# KiCad board PCB.kicad_pcb
title: BR23 Dashboard PCB; company: Bronco Racing
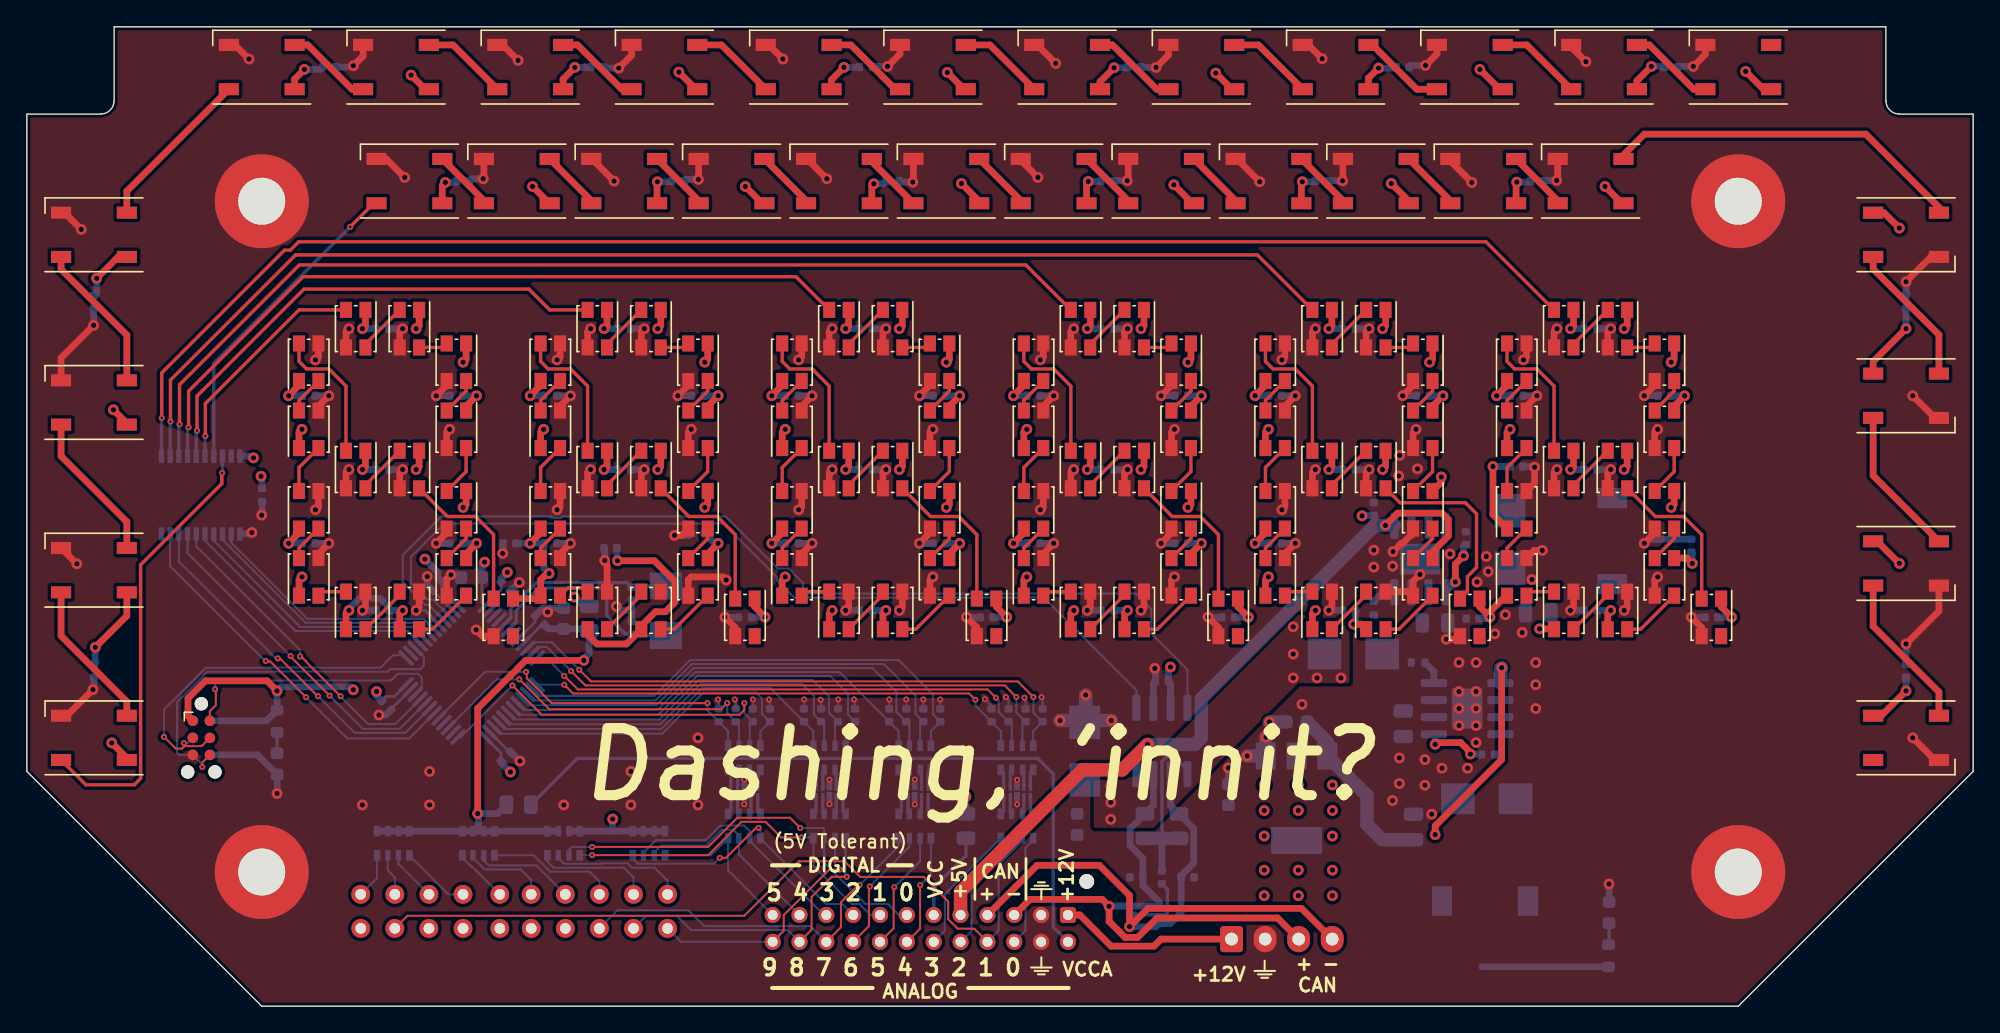
[diagram p0: board, top side]
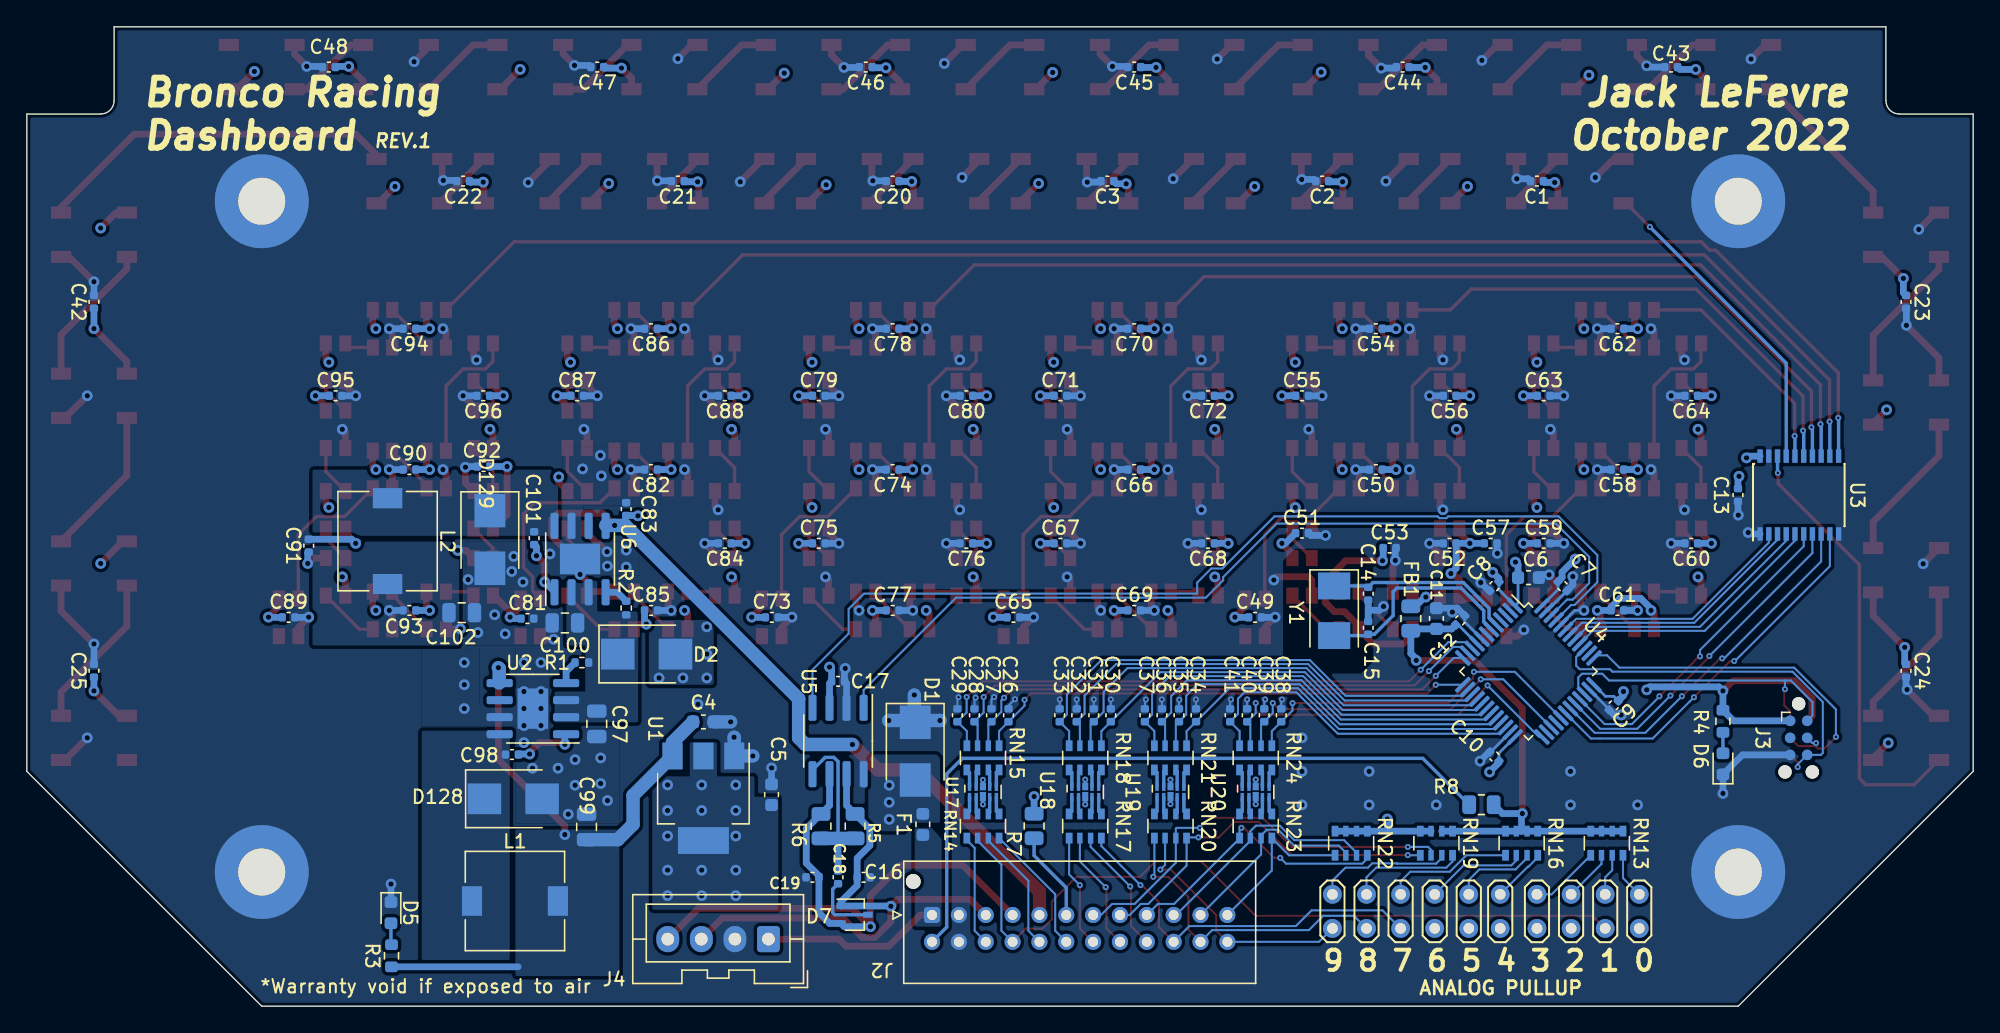
[diagram p1: board, bottom side, seen from below]

Outline 145 x 73 mm; copper layers: Top, In1.Cu, In2.Cu, Bottom. Coordinates in mm from the lower left corner of the outline.
Outline path: 0,17.5 0,66.5 5.5,66.5 arc(6.21,66.79) 6.5,67.5 6.5,73 138.5,73 138.5,67.5 arc(138.79,66.79) 139.5,66.5 145,66.5 145,17.5 127.5,0 17.5,0 0,17.5
Stack: Top 0.035mm / dielectric 0.48mm FR4 er 4.5 / In1.Cu 0.035mm / dielectric 0.48mm FR4 er 4.5 / In2.Cu 0.035mm / dielectric 0.48mm FR4 er 4.5 / Bottom 0.035mm

## Placement (name value [footprint] x y rotation side)
C1  100n  [C_0402_1005Metric]  32.5 61.5 0 bottom
C2  100n  [C_0402_1005Metric]  48.5 61.5 0 bottom
C3  100n  [C_0402_1005Metric]  64.5 61.5 0 bottom
C4  1u  [C_0603_1608Metric]  94.6 21.19 180 bottom
C5  1u  [C_0603_1608Metric]  89.52 15.77 90 bottom
C6  4u7  [C_0603_1608Metric]  33.13 31.94 180 bottom
C7  100n  [C_0402_1005Metric]  30.59 31.31 225 bottom
C8  100n  [C_0402_1005Metric]  35.67 31.31 315 bottom
C9  100n  [C_0402_1005Metric]  26.78 22.42 315 bottom
C10  100n  [C_0402_1005Metric]  35.67 18.61 45 bottom
C11  1u  [C_0603_1608Metric]  39.99 28.89 90 bottom
C12  100n  [C_0402_1005Metric]  38.21 28.77 135 bottom
C13  100n  [C_0402_1005Metric]  17.52 38.1 270 bottom
C14  30p  [C_0402_1005Metric]  45.07 30.74 270 bottom
C15  30p  [C_0402_1005Metric]  45.07 28.2 90 bottom
C16  30p  [C_0402_1005Metric]  82.66 9.61 0 bottom
C17  100n  [C_0402_1005Metric]  84.56 24.21 180 bottom
C18  100n  [C_0402_1005Metric]  84.56 9.61 90 bottom
C19  30p  [C_0402_1005Metric]  86.47 9.61 0 bottom
C20  100n  [C_0402_1005Metric]  80.5 61.5 0 bottom
C21  100n  [C_0402_1005Metric]  96.5 61.5 0 bottom
C22  100n  [C_0402_1005Metric]  112.5 61.5 0 bottom
C23  100n  [C_0402_1005Metric]  5 52.5 270 bottom
C24  100n  [C_0402_1005Metric]  5 25 270 bottom
C25  100n  [C_0402_1005Metric]  140 25 90 bottom
C26  100n  [C_0402_1005Metric]  71.87 21.68 90 bottom
C27  100n  [C_0402_1005Metric]  73.13 21.68 90 bottom
C28  100n  [C_0402_1005Metric]  74.41 21.68 90 bottom
C29  100n  [C_0402_1005Metric]  75.68 21.68 90 bottom
C30  100n  [C_0402_1005Metric]  64.25 21.68 90 bottom
C31  100n  [C_0402_1005Metric]  65.51 21.68 90 bottom
C32  100n  [C_0402_1005Metric]  66.78 21.68 90 bottom
C33  100n  [C_0402_1005Metric]  68.06 21.68 90 bottom
C34  100n  [C_0402_1005Metric]  57.9 21.68 90 bottom
C35  100n  [C_0402_1005Metric]  59.16 21.68 90 bottom
C36  100n  [C_0402_1005Metric]  60.44 21.68 90 bottom
C37  100n  [C_0402_1005Metric]  61.71 21.68 90 bottom
C38  100n  [C_0402_1005Metric]  51.55 21.68 90 bottom
C39  100n  [C_0402_1005Metric]  52.81 21.68 90 bottom
C40  100n  [C_0402_1005Metric]  54.08 21.68 90 bottom
C41  100n  [C_0402_1005Metric]  55.36 21.68 90 bottom
C42  100n  [C_0402_1005Metric]  140 52.5 90 bottom
C43  100n  [C_0402_1005Metric]  22.5 70 0 bottom
C44  100n  [C_0402_1005Metric]  42.5 70 0 bottom
C45  100n  [C_0402_1005Metric]  62.5 70 0 bottom
C46  100n  [C_0402_1005Metric]  82.5 70 0 bottom
C47  100n  [C_0402_1005Metric]  102.5 70 0 bottom
C48  100n  [C_0402_1005Metric]  122.5 70 0 bottom
C49  100n  [C_0402_1005Metric]  53.5 28.98 180 bottom
C50  100n  [C_0402_1005Metric]  44.5 40 0 bottom
C51  100n  [C_0402_1005Metric]  50 35.26 180 bottom
C52  100n  [C_0402_1005Metric]  39 34.5 0 bottom
C53  100n  [C_0402_1005Metric]  43.47 34.15 180 bottom
C54  100n  [C_0402_1005Metric]  44.5 50.5 0 bottom
C55  100n  [C_0402_1005Metric]  50 45.5 180 bottom
C56  100n  [C_0402_1005Metric]  39 45.5 0 bottom
C57  100n  [C_0402_1005Metric]  35.95 34.5 180 bottom
C58  100n  [C_0402_1005Metric]  26.5 40 0 bottom
C59  100n  [C_0402_1005Metric]  32 34.5 180 bottom
C60  100n  [C_0402_1005Metric]  21 34.5 0 bottom
C61  100n  [C_0402_1005Metric]  26.5 29.5 180 bottom
C62  100n  [C_0402_1005Metric]  26.5 50.5 0 bottom
C63  100n  [C_0402_1005Metric]  32 45.5 180 bottom
C64  100n  [C_0402_1005Metric]  21 45.5 0 bottom
C65  100n  [C_0402_1005Metric]  71.5 28.98 180 bottom
C66  100n  [C_0402_1005Metric]  62.5 40 0 bottom
C67  100n  [C_0402_1005Metric]  68 34.5 180 bottom
C68  100n  [C_0402_1005Metric]  57 34.5 0 bottom
C69  100n  [C_0402_1005Metric]  62.5 29.5 180 bottom
C70  100n  [C_0402_1005Metric]  62.5 50.5 0 bottom
C71  100n  [C_0402_1005Metric]  68 45.5 180 bottom
C72  100n  [C_0402_1005Metric]  57 45.5 0 bottom
C73  100n  [C_0402_1005Metric]  89.5 28.98 180 bottom
C74  100n  [C_0402_1005Metric]  80.5 40 0 bottom
C75  100n  [C_0402_1005Metric]  86 34.5 180 bottom
C76  100n  [C_0402_1005Metric]  75 34.5 0 bottom
C77  100n  [C_0402_1005Metric]  80.5 29.5 180 bottom
C78  100n  [C_0402_1005Metric]  80.5 50.5 0 bottom
C79  100n  [C_0402_1005Metric]  86 45.5 180 bottom
C80  100n  [C_0402_1005Metric]  75 45.5 0 bottom
C81  100n  [C_0402_1005Metric]  107.71 28.89 180 bottom
C82  100n  [C_0402_1005Metric]  98.5 40 0 bottom
C83  100n  [C_0402_1005Metric]  100.35 37.05 90 bottom
C84  100n  [C_0402_1005Metric]  93 34.5 0 bottom
C85  100n  [C_0402_1005Metric]  98.5 29.5 180 bottom
C86  100n  [C_0402_1005Metric]  98.5 50.5 0 bottom
C87  100n  [C_0402_1005Metric]  104 45.5 180 bottom
C88  100n  [C_0402_1005Metric]  93 45.5 0 bottom
C89  100n  [C_0402_1005Metric]  125.5 28.98 180 bottom
C90  100n  [C_0402_1005Metric]  116.5 40 0 bottom
C91  100n  [C_0402_1005Metric]  124 34.33 90 bottom
C92  100n  [C_0402_1005Metric]  110.97 40.22 0 bottom
C93  100n  [C_0402_1005Metric]  116.5 29.5 180 bottom
C94  100n  [C_0402_1005Metric]  116.5 50.5 0 bottom
C95  100n  [C_0402_1005Metric]  122 45.5 180 bottom
C96  100n  [C_0402_1005Metric]  111 45.5 0 bottom
C97  10u  [C_0805_2012Metric]  102.54 21.05 270 bottom
C98  100n  [C_0402_1005Metric]  108.86 18.75 0 bottom
C99  47u  [C_0805_2012Metric]  103.3 13.36 90 bottom
C100  10u  [C_0805_2012Metric]  104.91 28.57 0 bottom
C101  100n  [C_0402_1005Metric]  107.21 34.88 90 bottom
C102  47u  [C_0805_2012Metric]  112.6 29.33 180 bottom
D1  SMBJ15CA  [D_SMB]  78.82 19.01 270 bottom
D2  SSB43L  [D_SMB]  98.82 26.25 180 bottom
D3  WS2812B  [LED_WS2812B_PLCC4_5.0x5.0mm_P3.2mm]  28.5 61.5 180 top
D4  WS2812B  [LED_WS2812B_PLCC4_5.0x5.0mm_P3.2mm]  36.5 61.5 180 top
D5  LED  [LED_0603_1608Metric]  117.87 6.97 270 bottom
D6  LED  [LED_0603_1608Metric]  18.64 18.06 90 bottom
D7  D_TVS_Dual_AAC  [SOT-323_SC-70]  83.34 6.82 180 bottom
D8  WS2812B  [LED_WS2812B_PLCC4_5.0x5.0mm_P3.2mm]  44.5 61.5 180 top
D9  WS2812B  [LED_WS2812B_PLCC4_5.0x5.0mm_P3.2mm]  52.5 61.5 180 top
D10  WS2812B  [LED_WS2812B_PLCC4_5.0x5.0mm_P3.2mm]  60.5 61.5 180 top
D11  WS2812B  [LED_WS2812B_PLCC4_5.0x5.0mm_P3.2mm]  68.5 61.5 180 top
D12  WS2812B  [LED_WS2812B_PLCC4_5.0x5.0mm_P3.2mm]  76.5 61.5 180 top
D13  WS2812B  [LED_WS2812B_PLCC4_5.0x5.0mm_P3.2mm]  84.5 61.5 180 top
D14  WS2812B  [LED_WS2812B_PLCC4_5.0x5.0mm_P3.2mm]  92.5 61.5 180 top
D15  WS2812B  [LED_WS2812B_PLCC4_5.0x5.0mm_P3.2mm]  100.5 61.5 180 top
D16  WS2812B  [LED_WS2812B_PLCC4_5.0x5.0mm_P3.2mm]  108.5 61.5 180 top
D17  WS2812B  [LED_WS2812B_PLCC4_5.0x5.0mm_P3.2mm]  116.5 61.5 180 top
D18  WS2812B  [LED_WS2812B_PLCC4_5.0x5.0mm_P3.2mm]  5 57.5 180 top
D19  WS2812B  [LED_WS2812B_PLCC4_5.0x5.0mm_P3.2mm]  5 45 180 top
D20  WS2812B  [LED_WS2812B_PLCC4_5.0x5.0mm_P3.2mm]  5 32.5 180 top
D21  WS2812B  [LED_WS2812B_PLCC4_5.0x5.0mm_P3.2mm]  5 20 180 top
D22  WS2812B  [LED_WS2812B_PLCC4_5.0x5.0mm_P3.2mm]  140 57.5 0 top
D24  WS2812B  [LED_WS2812B_PLCC4_5.0x5.0mm_P3.2mm]  140 33 0 top
D25  WS2812B  [LED_WS2812B_PLCC4_5.0x5.0mm_P3.2mm]  140 20 0 top
D26  WS2812B  [LED_WS2812B_PLCC4_5.0x5.0mm_P3.2mm]  17.5 70 180 top
D27  WS2812B  [LED_WS2812B_PLCC4_5.0x5.0mm_P3.2mm]  27.5 70 180 top
D28  WS2812B  [LED_WS2812B_PLCC4_5.0x5.0mm_P3.2mm]  37.5 70 180 top
D29  WS2812B  [LED_WS2812B_PLCC4_5.0x5.0mm_P3.2mm]  47.5 70 180 top
D30  WS2812B  [LED_WS2812B_PLCC4_5.0x5.0mm_P3.2mm]  57.5 70 180 top
D31  WS2812B  [LED_WS2812B_PLCC4_5.0x5.0mm_P3.2mm]  67.5 70 180 top
D32  WS2812B  [LED_WS2812B_PLCC4_5.0x5.0mm_P3.2mm]  77.5 70 180 top
D33  WS2812B  [LED_WS2812B_PLCC4_5.0x5.0mm_P3.2mm]  87.5 70 180 top
D34  WS2812B  [LED_WS2812B_PLCC4_5.0x5.0mm_P3.2mm]  97.5 70 180 top
D35  WS2812B  [LED_WS2812B_PLCC4_5.0x5.0mm_P3.2mm]  107.5 70 180 top
D36  WS2812B  [LED_WS2812B_PLCC4_5.0x5.0mm_P3.2mm]  117.5 70 180 top
D37  WS2812B  [LED_WS2812B_PLCC4_5.0x5.0mm_P3.2mm]  127.5 70 180 top
D38  WS2812B  [XL-3528RGBW-WS2812B]  39 48 90 top
D39  WS2812B  [XL-3528RGBW-WS2812B]  39 43 90 top
D40  WS2812B  [XL-3528RGBW-WS2812B]  39 37 90 top
D41  WS2812B  [XL-3528RGBW-WS2812B]  39 32 90 top
D42  WS2812B  [XL-3528RGBW-WS2812B]  42.5 50.5 270 top
D43  WS2812B  [XL-3528RGBW-WS2812B]  42.5 29.5 90 top
D44  WS2812B  [XL-3528RGBW-WS2812B]  42.5 40 270 top
D45  WS2812B  [XL-3528RGBW-WS2812B]  46.5 50.5 270 top
D46  WS2812B  [XL-3528RGBW-WS2812B]  46.5 29.5 90 top
D47  WS2812B  [XL-3528RGBW-WS2812B]  46.5 40 270 top
D48  WS2812B  [XL-3528RGBW-WS2812B]  50 48 270 top
D49  WS2812B  [XL-3528RGBW-WS2812B]  50 43 270 top
D50  WS2812B  [XL-3528RGBW-WS2812B]  50 37 270 top
D51  WS2812B  [XL-3528RGBW-WS2812B]  50 32 270 top
D52  WS2812B  [XL-3528RGBW-WS2812B]  53.5 28.98 270 top
D53  WS2812B  [XL-3528RGBW-WS2812B]  21 48 90 top
D54  WS2812B  [XL-3528RGBW-WS2812B]  21 43 90 top
D55  WS2812B  [XL-3528RGBW-WS2812B]  21 37 90 top
D56  WS2812B  [XL-3528RGBW-WS2812B]  21 32 90 top
D57  WS2812B  [XL-3528RGBW-WS2812B]  24.5 50.5 270 top
D58  WS2812B  [XL-3528RGBW-WS2812B]  24.5 29.5 90 top
D59  WS2812B  [XL-3528RGBW-WS2812B]  24.5 40 270 top
D60  WS2812B  [XL-3528RGBW-WS2812B]  28.5 50.5 270 top
D61  WS2812B  [XL-3528RGBW-WS2812B]  28.5 29.5 90 top
D62  WS2812B  [XL-3528RGBW-WS2812B]  28.5 40 270 top
D63  WS2812B  [XL-3528RGBW-WS2812B]  32 48 270 top
D64  WS2812B  [XL-3528RGBW-WS2812B]  32 43 270 top
D65  WS2812B  [XL-3528RGBW-WS2812B]  32 37 270 top
D66  WS2812B  [XL-3528RGBW-WS2812B]  32 32 270 top
D67  WS2812B  [XL-3528RGBW-WS2812B]  35.5 28.98 270 top
D68  WS2812B  [XL-3528RGBW-WS2812B]  57 48 90 top
D69  WS2812B  [XL-3528RGBW-WS2812B]  57 43 90 top
D70  WS2812B  [XL-3528RGBW-WS2812B]  57 37 90 top
D71  WS2812B  [XL-3528RGBW-WS2812B]  57 32 90 top
D72  WS2812B  [XL-3528RGBW-WS2812B]  60.5 50.5 270 top
D73  WS2812B  [XL-3528RGBW-WS2812B]  60.5 29.5 90 top
D74  WS2812B  [XL-3528RGBW-WS2812B]  60.5 40 270 top
D75  WS2812B  [XL-3528RGBW-WS2812B]  64.5 50.5 270 top
D76  WS2812B  [XL-3528RGBW-WS2812B]  64.5 29.5 90 top
D77  WS2812B  [XL-3528RGBW-WS2812B]  64.5 40 270 top
D78  WS2812B  [XL-3528RGBW-WS2812B]  68 48 270 top
D79  WS2812B  [XL-3528RGBW-WS2812B]  68 43 270 top
D80  WS2812B  [XL-3528RGBW-WS2812B]  68 37 270 top
D81  WS2812B  [XL-3528RGBW-WS2812B]  68 32 270 top
D82  WS2812B  [XL-3528RGBW-WS2812B]  71.5 28.98 270 top
D83  WS2812B  [XL-3528RGBW-WS2812B]  75 48 90 top
D84  WS2812B  [XL-3528RGBW-WS2812B]  75 43 90 top
D85  WS2812B  [XL-3528RGBW-WS2812B]  75 37 90 top
D86  WS2812B  [XL-3528RGBW-WS2812B]  75 32 90 top
D87  WS2812B  [XL-3528RGBW-WS2812B]  78.5 50.5 270 top
D88  WS2812B  [XL-3528RGBW-WS2812B]  78.5 29.5 90 top
D89  WS2812B  [XL-3528RGBW-WS2812B]  78.5 40 270 top
D90  WS2812B  [XL-3528RGBW-WS2812B]  82.5 50.5 270 top
D91  WS2812B  [XL-3528RGBW-WS2812B]  82.5 29.5 90 top
D92  WS2812B  [XL-3528RGBW-WS2812B]  82.5 40 270 top
D93  WS2812B  [XL-3528RGBW-WS2812B]  86 48 270 top
D94  WS2812B  [XL-3528RGBW-WS2812B]  86 43 270 top
D95  WS2812B  [XL-3528RGBW-WS2812B]  86 37 270 top
D96  WS2812B  [XL-3528RGBW-WS2812B]  86 32 270 top
D97  WS2812B  [XL-3528RGBW-WS2812B]  89.5 28.98 270 top
D98  WS2812B  [XL-3528RGBW-WS2812B]  93 48 90 top
D99  WS2812B  [XL-3528RGBW-WS2812B]  93 43 90 top
D100  WS2812B  [XL-3528RGBW-WS2812B]  93 37 90 top
D101  WS2812B  [XL-3528RGBW-WS2812B]  93 32 90 top
D102  WS2812B  [XL-3528RGBW-WS2812B]  96.5 50.5 270 top
D103  WS2812B  [XL-3528RGBW-WS2812B]  96.5 29.5 90 top
D104  WS2812B  [XL-3528RGBW-WS2812B]  96.5 40 270 top
D105  WS2812B  [XL-3528RGBW-WS2812B]  100.5 50.5 270 top
D106  WS2812B  [XL-3528RGBW-WS2812B]  100.5 29.5 90 top
D107  WS2812B  [XL-3528RGBW-WS2812B]  100.5 40 270 top
D108  WS2812B  [XL-3528RGBW-WS2812B]  104 48 270 top
D109  WS2812B  [XL-3528RGBW-WS2812B]  104 43 270 top
D110  WS2812B  [XL-3528RGBW-WS2812B]  104 37 270 top
D111  WS2812B  [XL-3528RGBW-WS2812B]  104 32 270 top
D112  WS2812B  [XL-3528RGBW-WS2812B]  107.5 28.98 270 top
D113  WS2812B  [XL-3528RGBW-WS2812B]  111 48 90 top
D114  WS2812B  [XL-3528RGBW-WS2812B]  111 43 90 top
D115  WS2812B  [XL-3528RGBW-WS2812B]  111 37 90 top
D116  WS2812B  [XL-3528RGBW-WS2812B]  111 32 90 top
D117  WS2812B  [XL-3528RGBW-WS2812B]  114.5 50.5 270 top
D118  WS2812B  [XL-3528RGBW-WS2812B]  114.5 29.5 90 top
D119  WS2812B  [XL-3528RGBW-WS2812B]  114.5 40 270 top
D120  WS2812B  [XL-3528RGBW-WS2812B]  118.5 50.5 270 top
D121  WS2812B  [XL-3528RGBW-WS2812B]  118.5 29.5 90 top
D122  WS2812B  [XL-3528RGBW-WS2812B]  118.5 40 270 top
D123  WS2812B  [XL-3528RGBW-WS2812B]  122 48 270 top
D124  WS2812B  [XL-3528RGBW-WS2812B]  122 43 270 top
D125  WS2812B  [XL-3528RGBW-WS2812B]  122 37 270 top
D126  WS2812B  [XL-3528RGBW-WS2812B]  122 32 270 top
D127  WS2812B  [XL-3528RGBW-WS2812B]  125.5 28.98 270 top
D128  SSB43L  [D_SMB]  108.76 15.46 180 bottom
D129  SSB43L  [D_SMB]  110.5 34.79 270 bottom
DD23  WS2812B  [LED_WS2812B_PLCC4_5.0x5.0mm_P3.2mm]  140 45.5 0 top
F1  Fuse  [Fuse_0603_1608Metric]  78.25 13.55 90 bottom
FB1  100R@100MHz  [R_0805_2012Metric]  41.89 28.89 270 bottom
H1  MountingHole  [MountingHole_3.5mm_Pad]  17.5 60 0 top
H2  MountingHole  [MountingHole_3.5mm_Pad]  17.5 10 0 top
H3  MountingHole  [MountingHole_3.5mm_Pad]  127.5 10 0 top
H4  MountingHole  [MountingHole_3.5mm_Pad]  127.5 60 0 top
J1  TC2030  [Tag-Connect_TC2030-IDC-NL_2x03_P1.27mm_Vertical]  13 20 270 top
J2  JST B24B-PADSS-F  [JST_B24B_PADSS]  77.56 6.8 180 bottom
J3  TC2030  [Tag-Connect_TC2030-IDC-NL_2x03_P1.27mm_Vertical#2]  13 20 270 bottom
J4  JST B04B-XASK  [JST_XA_B04B-XASK-1_1x04_P2.50mm_Vertical]  89.75 5 0 bottom
JP1  Jumper_2_Bridged  [TestPoint_2Pads_Pitch2.54mm_Drill0.8mm]  24.88 8.34 270 bottom
JP2  Jumper_2_Bridged  [TestPoint_2Pads_Pitch2.54mm_Drill0.8mm]  27.42 8.34 270 bottom
JP3  Jumper_2_Bridged  [TestPoint_2Pads_Pitch2.54mm_Drill0.8mm]  29.95 8.34 270 bottom
JP4  Jumper_2_Bridged  [TestPoint_2Pads_Pitch2.54mm_Drill0.8mm]  32.5 8.34 270 bottom
JP5  Jumper_2_Bridged  [TestPoint_2Pads_Pitch2.54mm_Drill0.8mm]  35.23 8.34 270 bottom
JP6  Jumper_2_Bridged  [TestPoint_2Pads_Pitch2.54mm_Drill0.8mm]  37.58 8.34 270 bottom
JP7  Jumper_2_Bridged  [TestPoint_2Pads_Pitch2.54mm_Drill0.8mm]  40.11 8.34 270 bottom
JP8  Jumper_2_Bridged  [TestPoint_2Pads_Pitch2.54mm_Drill0.8mm]  42.66 8.34 270 bottom
JP9  Jumper_2_Bridged  [TestPoint_2Pads_Pitch2.54mm_Drill0.8mm]  45.19 8.34 270 bottom
JP10  Jumper_2_Bridged  [TestPoint_2Pads_Pitch2.54mm_Drill0.8mm]  47.73 8.34 270 bottom
L1  4.7u  [L_7.3x7.3_H3.5]  108.64 7.84 180 bottom
L2  4.7u  [L_7.3x7.3_H3.5]  118.12 34.66 270 bottom
R1  100k  [R_0402_1005Metric]  103.65 25.61 0 bottom
R2  100k  [R_0402_1005Metric]  100.35 29.68 90 bottom
R3  1.5k  [R_0603_1608Metric]  117.83 3.76 90 bottom
R4  1.5k  [R_0603_1608Metric]  18.64 21.24 270 bottom
R5  60  [R_0805_2012Metric]  83.29 13.42 270 bottom
R6  60  [R_0805_2012Metric]  85.84 13.42 90 bottom
R7  47R  [R_0805_2012Metric]  69.96 13.43 270 bottom
R8  47R  [R_0805_2012Metric]  36.63 15.02 0 bottom
RN13  10k  [R_Array_Convex_4x0603]  27.29 12.15 90 bottom
RN14  1k  [R_Array_Convex_4x0603]  73.77 13.43 270 bottom
RN15  1k  [R_Array_Convex_4x0603]  73.77 18.51 270 bottom
RN16  10k  [R_Array_Convex_4x0603]  33.64 12.15 90 bottom
RN17  1k  [R_Array_Convex_4x0603]  66.15 13.43 270 bottom
RN18  1k  [R_Array_Convex_4x0603]  66.15 18.51 270 bottom
RN19  10k  [R_Array_Convex_4x0603]  39.99 12.15 90 bottom
RN20  1k  [R_Array_Convex_4x0603]  59.8 13.43 270 bottom
RN21  1k  [R_Array_Convex_4x0603]  59.8 18.51 270 bottom
RN22  10k  [R_Array_Convex_4x0603]  46.34 12.15 90 bottom
RN23  1k  [R_Array_Convex_4x0603]  53.45 13.43 270 bottom
RN24  1k  [R_Array_Convex_4x0603]  53.45 18.51 270 bottom
U1  AMS1117-3.3  [SOT-223-3_TabPin2]  94.6 15.5 270 bottom
U2  ADP2303ARDZ-5.0  [SOIC-8-1EP_3.9x4.9mm_P1.27mm_EP2.29x3mm]  107.3 22.18 0 bottom
U3  74HCT541  [SSOP-20_4.4x6.5mm_P0.65mm]  12.95 38.1 90 bottom
U4  STM32F103C8T6  [LQFP-48_7x7mm_P0.5mm]  33.13 24.96 225 bottom
U5  SN65HVD230  [SOIC-8_3.9x4.9mm_P1.27mm]  84.56 19.77 270 bottom
U6  ADP2303ARDZ-5.0  [SOIC-8-1EP_3.9x4.9mm_P1.27mm_EP2.29x3mm]  103.78 33.33 90 bottom
U17  ESD224DQA  [Diodes_UDFN-10_1.0x2.5mm_P0.5mm]  73.77 15.97 90 bottom
U18  ESD224DQA  [Diodes_UDFN-10_1.0x2.5mm_P0.5mm]  66.15 15.97 90 bottom
U19  ESD224DQA  [Diodes_UDFN-10_1.0x2.5mm_P0.5mm]  59.8 15.97 90 bottom
U20  ESD224DQA  [Diodes_UDFN-10_1.0x2.5mm_P0.5mm]  53.45 15.97 90 bottom
Y1  8MHz  [Crystal_SMD_5032-2Pin_5.0x3.2mm]  47.61 29.47 270 bottom

## Library data of the parts
C1-C3 C7-C10 C12 C13 C17 C18 C20-C96 C98 C101 = -: LCSC: C307331
C4 C5 C11 = -: LCSC: C15849
C6 = -: LCSC: C19666
C14-C16 C19 = -: LCSC: C1570
C97 C100 = -: LCSC: C440198
C99 C102 = -: LCSC: C16780
D1 = -: LCSC: C78809
D2 D128 D129 = -: LCSC: C222519
D5 D6 = -: LCSC: C72043
D7 = -: LCSC: C151237
D18-D22 D24-D37 DD23 = -: Field4: 1
F1 = -: LCSC: C122965
FB1 = -: LCSC: C1015
L1 L2 = -: LCSC: C497878
R1 R2 = -: LCSC: C25086
R3 R4 = -: LCSC: C4177
R5 R6 = -: LCSC: C441730
R7 R8 = -: LCSC: C17714
RN13 RN16 RN19 RN22 = -: LCSC: C29718
RN14 RN15 RN17 RN18 RN20 RN21 RN23 RN24 = -: LCSC: C20197
U1 = -: LCSC: C6186
U2 U6 = -: LCSC: C659153
U3 = -: LCSC: C6758
U4 = -: LCSC: C77994
U5 = -: LCSC: C12084
Y1 = -: LCSC: C115962

## Footprints (pads in the part's own frame, mm; a bottom-side part is the same pattern mirrored in y, then rotated)
C_0402_1005Metric
  rrect 0.56x0.62 smd: 1(-0.48,0) 2(0.48,0)
C_0603_1608Metric
  rrect 0.9x0.95 smd: 1(-0.775,0) 2(0.775,0)
C_0805_2012Metric
  rrect 1x1.45 smd: 1(-0.95,0) 2(0.95,0)
Crystal_SMD_5032-2Pin_5.0x3.2mm
  rect 2x2.4 smd: 1(-1.85,0) 2(1.85,0)
D_SMB
  rect 2.5x2.3 smd: 1(-2.15,0) 2(2.15,0)
Diodes_UDFN-10_1.0x2.5mm_P0.5mm
  rect 0.625x0.25 smd: 1(-0.388,1) 2(-0.388,0.5) 4(-0.388,-0.5) 5(-0.388,-1) 6(0.388,-1) 7(0.388,-0.5) 9(0.388,0.5) 10(0.388,1)
  rect 0.7x0.45 smd: 3(-0.35,0)
  rect 0.575x0.45 smd: 8(0.412,0)
Fuse_0603_1608Metric
  rrect 0.875x0.95 smd: 1(-0.787,0) 2(0.787,0)
JST_B24B_PADSS
  round 1.1 hole 1.1 unplated: (-1.4,2.5)
  rrect 1.2x1.2 hole 0.75: 1(0,0)
  round 1.2 hole 0.75: 2(0,-2) 3(2,0) 4(2,-2) 5(4,0) 6(4,-2) 7(6,0) 8(6,-2) 9(8,0) 10(8,-2) 11(10,0) 12(10,-2) 13(12,0) 14(12,-2) 15(14,0) 16(14,-2) 17(16,0) 18(16,-2) 19(18,0) 20(18,-2) 21(20,0) 22(20,-2) 23(22,0) 24(22,-2)
JST_XA_B04B-XASK-1_1x04_P2.50mm_Vertical
  rrect 1.7x1.95 hole 0.95: 1(0,0)
  oval 1.7x1.95 hole 0.95: 2(2.5,0) 3(5,0) 4(7.5,0)
L_7.3x7.3_H3.5
  rect 1.5x2.2 smd: 1(-3.2,0) 2(3.2,0)
LED_0603_1608Metric
  rrect 0.875x0.95 smd: 1(-0.787,0) 2(0.787,0)
LED_WS2812B_PLCC4_5.0x5.0mm_P3.2mm
  rect 1.5x0.9 smd: 1(-2.45,1.65) 2(-2.45,-1.65) 3(2.45,-1.65) 4(2.45,1.65)
LQFP-48_7x7mm_P0.5mm
  rrect 1.475x0.3 smd: 1(-4.162,2.75) 2(-4.162,2.25) 3(-4.162,1.75) 4(-4.162,1.25) 5(-4.162,0.75) 6(-4.162,0.25) 7(-4.162,-0.25) 8(-4.162,-0.75) 9(-4.162,-1.25) 10(-4.162,-1.75) 11(-4.162,-2.25) 12(-4.162,-2.75) 25(4.162,-2.75) 26(4.162,-2.25) 27(4.162,-1.75) 28(4.162,-1.25) 29(4.162,-0.75) 30(4.162,-0.25) 31(4.162,0.25) 32(4.162,0.75) 33(4.162,1.25) 34(4.162,1.75) 35(4.162,2.25) 36(4.162,2.75)
  rrect 0.3x1.475 smd: 13(-2.75,-4.162) 14(-2.25,-4.162) 15(-1.75,-4.162) 16(-1.25,-4.162) 17(-0.75,-4.162) 18(-0.25,-4.162) 19(0.25,-4.162) 20(0.75,-4.162) 21(1.25,-4.162) 22(1.75,-4.162) 23(2.25,-4.162) 24(2.75,-4.162) 37(2.75,4.162) 38(2.25,4.162) 39(1.75,4.162) 40(1.25,4.162) 41(0.75,4.162) 42(0.25,4.162) 43(-0.25,4.162) 44(-0.75,4.162) 45(-1.25,4.162) 46(-1.75,4.162) 47(-2.25,4.162) 48(-2.75,4.162)
MountingHole_3.5mm_Pad
  round 7 hole 3.5: 1(0,0)
R_0402_1005Metric
  rrect 0.54x0.64 smd: 1(-0.51,0) 2(0.51,0)
R_0603_1608Metric
  rrect 0.8x0.95 smd: 1(-0.825,0) 2(0.825,0)
R_0805_2012Metric
  rrect 1.025x1.4 smd: 1(-0.912,0) 2(0.912,0)
R_Array_Convex_4x0603
  rect 0.8x0.5 smd: 1(-0.9,1.2) 4(-0.9,-1.2) 5(0.9,-1.2) 8(0.9,1.2)
  rect 0.8x0.4 smd: 2(-0.9,0.4) 3(-0.9,-0.4) 6(0.9,-0.4) 7(0.9,0.4)
SOIC-8-1EP_3.9x4.9mm_P1.27mm_EP2.29x3mm
  rrect 0.92x1.21 smd: (-0.57,-0.75) (-0.57,0.75) (0.57,-0.75) (0.57,0.75)
  rrect 1.95x0.6 smd: 1(-2.475,1.905) 2(-2.475,0.635) 3(-2.475,-0.635) 4(-2.475,-1.905) 5(2.475,-1.905) 6(2.475,-0.635) 7(2.475,0.635) 8(2.475,1.905)
  rect 2.29x3 smd: 9(0,0)
SOIC-8_3.9x4.9mm_P1.27mm
  rrect 1.95x0.6 smd: 1(-2.475,1.905) 2(-2.475,0.635) 3(-2.475,-0.635) 4(-2.475,-1.905) 5(2.475,-1.905) 6(2.475,-0.635) 7(2.475,0.635) 8(2.475,1.905)
SOT-223-3_TabPin2
  rect 2x1.5 smd: 1(-3.15,2.3) 2(-3.15,0) 3(-3.15,-2.3)
  rect 2x3.8 smd: 2(3.15,0)
SOT-323_SC-70
  rect 0.7x0.45 smd: 1(-1,0.65) 2(-1,-0.65) 3(1,0)
SSOP-20_4.4x6.5mm_P0.65mm
  rect 1x0.4 smd: 1(-2.9,2.925) 2(-2.9,2.275) 3(-2.9,1.625) 4(-2.9,0.975) 5(-2.9,0.325) 6(-2.9,-0.325) 7(-2.9,-0.975) 8(-2.9,-1.625) 9(-2.9,-2.275) 10(-2.9,-2.925) 11(2.9,-2.925) 12(2.9,-2.275) 13(2.9,-1.625) 14(2.9,-0.975) 15(2.9,-0.325) 16(2.9,0.325) 17(2.9,0.975) 18(2.9,1.625) 19(2.9,2.275) 20(2.9,2.925)
Tag-Connect_TC2030-IDC-NL_2x03_P1.27mm_Vertical
  round 0.787 smd: 1(-1.27,-0.635) 2(-1.27,0.635) 3(0,-0.635) 4(0,0.635) 5(1.27,-0.635) 6(1.27,0.635)
Tag-Connect_TC2030-IDC-NL_2x03_P1.27mm_Vertical#2
  round 0.991 hole 0.991 unplated: (-2.54,0) (2.54,-1.016) (2.54,1.016)
  round 0.787 smd: 1(-1.27,-0.635) 2(-1.27,0.635) 3(0,-0.635) 4(0,0.635) 5(1.27,-0.635) 6(1.27,0.635)